# Allegro board 038RT-9068CJK8E-A100_0921_1.brd (continued)
## Routing (per net, layer and track width the routed paths; a pad name or vN(x,y) marks a point on that pad's centre or on a via; arc(x,y) is an arc through that point) (continued)
S2_R_P0_RXDV: length 5.1
  BOTTOM w0.115: UNK2RR409.2 166.62,262.55 169.68,262.55 UNK2K232.6
S2_R_P0_RXER: length 5.1
  BOTTOM w0.115: UNK2RR406.2 182.38,274.97 185.44,274.97 UNK2K183.6
S2_R_P0_TXC: length 5.1
  BOTTOM w0.115: UNK2RR404.2 182.38,262.55 185.44,262.55 UNK2K181.6
S2_R_P0_TXD0: length 5.1
  BOTTOM w0.115: UNK2K180.6 201.2,262.55 198.14,262.55 UNK2RR400.2
S2_R_P0_TXD1: length 5
  BOTTOM w0.115: UNK2K181.3 185.5,261.55 182.32,261.55 UNK2RR401.2
S2_R_P0_TXD2: length 5
  BOTTOM w0.115: UNK2RR402.2 166.56,273.97 169.74,273.97 UNK2K182.3
S2_R_P0_TXD3: length 5
  BOTTOM w0.115: UNK2K183.3 185.5,273.97 182.32,273.97 UNK2RR403.2
S2_R_P0_TXEN: length 5
  BOTTOM w0.115: UNK2RR405.2 198.08,261.55 201.26,261.55 UNK2K180.3
S2_RESETB: length 55.2
  L07_SIGNAL w0.105: v1(225.31,263) 229.02,259.28 275.96,259.28 v1(278.1,261.42)
S2_RTT: length 31
  L03_SIGNAL w0.102: v1(286.1,271.02) 286.5,271.42 286.5,273.06
  L03_SIGNAL w0.145: v2(312.66,276.86) 312.01,276.21 307.36,276.21 305.12,273.98 287.41,273.98 286.5,273.06
  BOTTOM w0.115: UNK2R434.1 v2(312.66,276.86)
S2_SEL1_K145: length 10.2
  BOTTOM w0.203: UNK2K145.8 26.39,280.17 25.23,279.01 UNK2RU11.2 23.37,279.01 23.21,279.17 23.21,282.74 23.86,283.39 UNK2RL15.1 UNK2RU12.1
S2_SEL2_K145: length 2.2
  BOTTOM w0.203: UNK2K145.17 UNK2RU12.2
S2_SEL2_K217: length 3.2
  BOTTOM w0.115: UNK2K217.17 139.57,260.62 140.51,259.68 UNK2RL38.1
S2_SPI_CSB: length 25.7
  L03_SIGNAL w0.102: v1(290.1,265.42) 290.5,265.02 292.92,265.02
  L03_SIGNAL w0.145: v1(315.24,263.99) 314.2,265.02 292.92,265.02
S2_SPI_SCK: length 26.9
  L03_SIGNAL w0.102: v1(290.1,263.02) 290.5,262.62 292.92,262.62
  L03_SIGNAL w0.145: v1(315.24,258.91) 313.75,260.39 297.1,260.39 294.78,262.71 293.01,262.71 292.92,262.62
S2_SPI_SI: length 20.2
  L03_SIGNAL w0.102: 292.92,261.82 290.5,261.82 v1(290.1,262.22)
  L03_SIGNAL w0.145: 292.92,261.82 292.99,261.75 294.62,261.75 296.58,259.78 308.01,259.78 v1(308.89,258.91)
S2_SPI_SO: length 19.1
  L03_SIGNAL w0.102: v1(290.1,264.62) 290.5,264.22 292.92,264.22
  L03_SIGNAL w0.145: 292.92,264.22 308.65,264.22 v1(308.89,263.99)
S2_SPI_VDDIO:
  vias: v1(274.65,247.71) v1(274.65,247.07) v1(289.3,262.22)
S2_SW_CTRL: length 495.8
  L21_SIGNAL w0.105: S2_SW_CTRL.2 32.57,146.69 35.72,143.54 183.33,143.54 191.72,151.92 229.51,151.92 233.96,147.47 233.96,104.55 235.67,102.84 SLOT2-DOWN.F6
  L44_SIGNAL w0.105: v2(31.42,352.38) 30.92,351.89 30.92,346.68 31.42,346.19 v2(31.42,344.88) v2(31.42,333.33) 30.49,332.41 29.63,332.41 28.99,331.77 28.99,327.05 28.48,326.54 26.86,326.54 26.17,325.86 v2(26.17,325.83) 26.17,321.33 27.64,319.86 27.64,277.16 28.05,276.76 28.05,274.93 27.62,274.5 27.62,226.42 28.2,225.83 28.2,222.83 29.12,221.92 v2(29.12,172.52) 28.23,171.63 28.23,165.68 v2(29.12,164.79) 28.74,164.41 28.74,154.08 31.61,151.21 S2_SW_CTRL.2
  BOTTOM w0.115: UNK2U18.10 29.97,352.88 30.02,352.93 30.87,352.93 v2(31.42,352.38) ; v2(29.12,164.79) 30.39,164.79 30.62,165.02 UNK2U6.10 ; UNK2U18.25 29.57,345.38 30.07,344.88 v2(31.42,344.88) ; UNK2U6.25 v2(29.12,172.52) ; v2(26.17,325.83) 26.72,326.38 27.57,326.38 27.62,326.33 UNK2U17.25 ; v2(31.42,333.33) 30.87,333.88 30.02,333.88 29.94,333.8 28.82,333.8 UNK2U17.10
S2_SWR1_EN: length 3.8
  TOP w0.305: UNK2SWR1.7 155.09,453.58 155.39,453.28 156.28,453.28 UNK2R548.2 UNK2CS5.1
S2_SWR1_FB: length 15.1
  TOP w0.305: UNK2RB8.1 156.88,457.06 157.9,458.08 161.5,458.08 163.09,456.49 SG2_SWR1_FB.1 ; UNK2RB8.1 UNK2RB7.2 UNK2CS2.2 ; UNK2RB8.1 156.22,456.49 UNK2SWR1.1
S2_SWR1_LX: length 1.7
  TOP w0.254: UNK2SWR1.6 154.59,452.3 UNK2LX1.1
S2_SWR1_PG: length 2.1
  TOP w0.305: UNK2RS6.2 155.66,456.8 155.09,456.23 UNK2SWR1.2
S2_SWR1_VIN: length 4.2
  TOP w0.305: UNK2SWR1.3 154.59,457.82 153.38,459.03 UNK2RS9.2
S2_TAPSL0: length 341.4
  L17_SIGNAL w0.102: 277.68,263.42 278.5,263.42 v1(278.9,263.02)
  L17_SIGNAL w0.105: v2(113.7,429.12) 113.7,423.82 137.9,399.61 264.46,399.61 285.45,378.62 285.45,323.83 259.86,298.24 259.86,277.03 262.86,274.03 262.86,262.69 264.54,261.01 270.93,261.01 272.96,263.04 275.11,263.04 275.48,263.42 277.68,263.42
S2_TAPSL0_HIGH: length 2.7
  BOTTOM w0.115: UNK2R342.1 S2_TAPSL0.1
S2_TAPSL0_LOW: length 2.7
  BOTTOM w0.115: UNK2R343.1 S2_TAPSL0.3
S2_TAPSL1: length 348.7
  L17_SIGNAL w0.102: 277.68,262.62 278.5,262.62 v1(278.9,262.22)
  L17_SIGNAL w0.105: 277.68,262.62 275.94,262.62 275.67,262.35 273.4,262.35 271.47,260.42 264.1,260.42 262.3,262.23 262.3,273.76 259.19,276.87 259.19,298.52 284.78,324.11 284.78,378.35 264.18,398.94 137.63,398.94 110.92,425.65 107.01,425.65 v2(103.54,429.12)
S2_TAPSL1_HIGH: length 2.7
  BOTTOM w0.115: UNK2R344.1 S2_TAPSL1.1
S2_TAPSL1_LOW: length 2.7
  BOTTOM w0.115: UNK2R345.1 S2_TAPSL1.3
S2_TCT: length 10
  TOP w0.115: v2(60.98,362.6) 60.94,362.56 UNK2T12.10 ; UNK2C171.1 v2(57.8,362.6) ; UNK2T12.15 54.59,362.56 v2(54.63,362.6)
  L03_SIGNAL w0.145: v2(60.98,362.6) v2(57.8,362.6) v2(54.63,362.6)
S2_TDO: length 22.9
  L03_SIGNAL w0.102: 292.92,267.42 290.5,267.42 v1(290.1,267.82)
  L03_SIGNAL w0.145: v1(312.06,269.07) 311.49,268.5 295.03,268.5 293.88,267.35 292.99,267.35 292.92,267.42
S2_U1_FE_MDI+: length 9.5
  TOP w0.105: 60.71,363.49 60.71,366.07 61.05,366.41 61.05,368.58 60.66,368.97 UNK2K56.4
  TOP w0.115: 60.71,363.49 59.67,362.45 UNK2T12.11
S2_U1_FE_MDI-: length 9.5
  TOP w0.105: 61.17,363.49 61.17,365.88 61.52,366.22 61.52,368.58 61.91,368.97 UNK2K56.5
  TOP w0.115: 61.17,363.49 62.21,362.45 UNK2T12.9
S2_U1_FE_MDIX+: length 9.5
  TOP w0.105: UNK2K52.4 53.62,368.97 54.01,368.58 54.01,366.22 54.36,365.88 54.36,363.49
  TOP w0.115: 54.36,363.49 53.32,362.45 UNK2T12.16
S2_U1_FE_MDIX-: length 9.5
  TOP w0.105: 54.82,363.49 54.82,366.07 54.47,366.41 54.47,368.58 54.86,368.97 UNK2K52.5
  TOP w0.115: UNK2T12.14 55.86,362.45 54.82,363.49
S2_U1_P0_MDI+: length 13.3
  BOTTOM w0.105: UNK2T7.3 250.65,266.35 251.39,266.35 252,265.73 252,265.36 252.53,264.83 261.11,264.83 261.21,264.93 UNK2K60.4
S2_U1_P0_MDI-: length 13.3
  BOTTOM w0.105: UNK2K60.5 261.21,264.26 261.11,264.36 252.34,264.36 251.54,265.17 251.54,265.54 251.19,265.88 250.65,265.88 UNK2T7.4
S2_U1_P1_MDI+: length 14
  BOTTOM w0.105: UNK2T8.3 238.37,262.33 237.32,262.33 236.73,262.92 236.73,264.15 236.51,264.36 227.9,264.36 227.8,264.26 UNK2K64.4
S2_U1_P1_MDI-: length 14
  BOTTOM w0.105: UNK2T8.4 238.36,262.8 237.51,262.8 237.19,263.11 237.19,264.34 236.7,264.83 227.9,264.83 227.8,264.93 UNK2K64.5
S2_U1_P2_GIGA_MDI+: length 2.6
  BOTTOM w0.105: 287.43,282.05 287.43,283.39
  BOTTOM w0.115: 287.43,283.39 UNK2C385.1 ; UNK2T18.2 287.43,282.05
S2_U1_P2_GIGA_MDI-: length 2.6
  BOTTOM w0.105: 286.96,282.05 286.96,283.39
  BOTTOM w0.115: 286.96,283.39 UNK2C384.1 ; UNK2T18.1 286.96,282.05
S2_U1_P3_GIGA_MDI+: length 2.6
  BOTTOM w0.105: 294.03,282.05 294.03,283.39
  BOTTOM w0.115: 294.03,283.39 UNK2C413.1 ; UNK2T23.2 294.03,282.05
S2_U1_P3_GIGA_MDI-: length 2.6
  BOTTOM w0.105: 293.57,282.05 293.57,283.39
  BOTTOM w0.115: UNK2T23.1 293.57,282.05 ; 293.57,283.39 UNK2C412.1
S2_U1_P5_MDI+: length 13.8
  BOTTOM w0.105: UNK2K130.4 261.21,272.05 261.11,271.94 252.53,271.94 252,272.47 252,273.35 251.39,273.97 250.65,273.97 UNK2T17.3
S2_U1_P5_MDI-: length 13.8
  BOTTOM w0.105: UNK2T17.4 250.65,273.5 251.19,273.5 251.54,273.16 251.54,272.28 252.34,271.48 261.11,271.48 261.21,271.37 UNK2K130.5
S2_U1_P6_MDI+: length 13.5
  BOTTOM w0.105: UNK2T15.3 238.37,269.95 237.25,269.95 236.81,270.4 236.81,271.15 236.48,271.48 227.9,271.48 227.8,271.37 UNK2K140.4
S2_U1_P6_MDI-: length 13.5
  BOTTOM w0.105: UNK2K140.5 227.8,272.05 227.9,271.94 236.67,271.94 237.27,271.34 237.27,270.59 237.44,270.42 238.36,270.42 UNK2T15.4
S2_U2_FE_MDI+: length 217.7
  TOP w0.105: 60.71,349.49 60.71,350.28
  TOP w0.115: UNK2T12.6 59.67,351.31 60.71,350.28 ; v1(60.61,349.39) 60.71,349.49
  L40_SIGNAL w0.1: v1(34.18,165.89) 34.14,165.89 33.94,166.09 32.38,166.09 31.47,167 31.47,168.46 30.83,169.1 28.19,169.1 26.44,170.85 26.44,183.71 29.46,186.72 29.46,222.03 30.64,223.22 30.64,233.03 28.18,235.49 28.18,242.32 38.41,252.56 38.41,273.87 36.6,275.69 36.6,282.64 38.41,284.46 38.41,314.46 50.11,326.16 50.11,344 52.7,346.59 60.09,346.59 60.76,347.25 60.76,349.24 v1(60.61,349.39)
  BOTTOM w0.105: v1(34.18,165.89) 34.04,166.04 31.58,166.04 UNK2U6.12
S2_U2_FE_MDI-: length 217.7
  TOP w0.105: 61.17,349.49 61.17,350.28
  TOP w0.115: 61.17,350.28 62.21,351.31 UNK2T12.8 ; v1(61.27,349.39) 61.17,349.49
  L40_SIGNAL w0.1: v1(34.18,166.66) 33.98,166.46 32.53,166.46 31.83,167.15 31.83,167.66 31.93,167.76 32.15,167.76 32.25,167.86 32.25,168.06 32.15,168.16 31.93,168.16 31.83,168.26 31.83,168.61 30.98,169.47 28.34,169.47 26.81,171 26.81,183.56 29.82,186.57 29.82,221.88 31,223.07 31,233.18 28.54,235.64 28.54,242.17 38.78,252.4 38.78,274.02 36.96,275.84 36.96,282.49 38.78,284.31 38.78,314.31 50.47,326.01 50.47,343.85 52.85,346.23 60.25,346.23 61.12,347.1 61.12,349.24 v1(61.27,349.39)
  BOTTOM w0.105: v1(34.18,166.66) 34.04,166.51 31.58,166.51 UNK2U6.13
S2_U2_FE_MDIX+: length 218.6
  TOP w0.105: 54.36,349.49 54.36,350.28
  TOP w0.115: v1(54.26,349.39) 54.36,349.49 ; UNK2T12.1 53.32,351.31 54.36,350.28
  L40_SIGNAL w0.1: v1(54.26,349.39) 54.41,349.24 54.41,348.44 54,348.03 50.45,348.03 47.73,345.32 47.73,327.39 33.72,313.38 33.72,284.99 34.77,283.94 34.77,273.66 32.16,271.04 32.16,250.48 24.13,242.46 24.13,235.97 27.14,232.96 27.14,227.25 26.17,226.28 26.17,222.85 26.51,222.5 26.51,214.29 23.76,211.54 23.76,169.87 27.54,166.1 30.38,166.1 31.09,165.39 31.09,163.76 31.76,163.09 33.98,163.09 v1(34.18,162.89)
  BOTTOM w0.105: UNK2U6.6 31.58,163.04 34.04,163.04 v1(34.18,162.89)
S2_U2_FE_MDIX-: length 218.6
  TOP w0.105: 54.82,349.49 54.82,350.28
  TOP w0.115: v1(54.92,349.39) 54.82,349.49 ; UNK2T12.3 55.86,351.31 54.82,350.28
  L40_SIGNAL w0.1: v1(54.92,349.39) 54.77,349.24 54.77,348.29 54.15,347.67 50.6,347.67 48.09,345.17 48.09,327.24 34.08,313.23 34.08,285.14 35.14,284.09 35.14,273.51 32.52,270.89 32.52,250.33 24.49,242.31 24.49,236.12 27.5,233.11 27.5,227.1 26.53,226.13 26.53,223 26.88,222.66 26.88,214.14 24.12,211.39 24.12,170.02 27.69,166.46 30.53,166.46 31.45,165.54 31.45,165.18 31.55,165.08 31.77,165.08 31.87,164.97 31.87,164.78 31.77,164.68 31.55,164.68 31.45,164.58 31.45,163.91 31.91,163.46 33.98,163.46 v1(34.18,163.66)
  BOTTOM w0.105: v1(34.18,163.66) 34.04,163.51 31.58,163.51 UNK2U6.7
S2_U2_P0_MDI+: length 2.7
  BOTTOM w0.105: UNK2C195.1 244.44,266.35 245.92,266.35 UNK2T7.2
S2_U2_P0_MDI-: length 2.7
  BOTTOM w0.105: UNK2T7.1 245.91,265.89 244.44,265.89 UNK2C196.1
S2_U2_P1_MDI+: length 2.7
  BOTTOM w0.105: UNK2T8.2 243.09,262.33 244.57,262.33 UNK2C198.1
S2_U2_P1_MDI-: length 2.7
  BOTTOM w0.105: UNK2C199.1 244.57,262.8 243.1,262.8 UNK2T8.1
S2_U2_P2_GIGA_MDI+: length 262.4
  L46_SIGNAL w0.136: v3(48.89,284.9) 48.99,284.79 57.25,284.79 62.97,290.51 77.01,290.51 79.96,293.46 129.76,293.46 134.33,288.89 165.09,288.89 177.93,301.72 272.05,301.72 285.52,288.26 287,288.26 287.42,287.84 287.42,287.22 287.56,287.08 v3(288.21,287.08)
  BOTTOM w0.105: v3(48.89,284.9) 48.79,284.8 48.41,284.8 47.2,286 45.68,286 UNK2K144.11 ; 287.43,286.03 287.43,286.3
  BOTTOM w0.115: UNK2C385.2 287.43,286.03 ; 287.43,286.3 v3(288.21,287.08)
S2_U2_P2_GIGA_MDI-: length 262.4
  L46_SIGNAL w0.136: v3(48.89,284.24) 48.99,284.34 50.24,284.34 50.4,284.18 50.4,283.94 50.56,283.78 50.78,283.78 50.94,283.94 50.94,284.18 51.1,284.34 57.44,284.34 63.16,290.06 77.2,290.06 80.15,293.01 129.57,293.01 134.15,288.43 165.28,288.43 178.12,301.27 271.87,301.27 285.33,287.81 286.81,287.81 286.97,287.65 286.97,287.22 286.83,287.08 v3(286.18,287.08)
  BOTTOM w0.105: UNK2K144.12 45.68,285.54 47.01,285.54 48.21,284.33 48.79,284.33 v3(48.89,284.24) ; 286.96,286.03 286.96,286.3
  BOTTOM w0.115: 286.96,286.3 v3(286.18,287.08) ; UNK2C384.2 286.96,286.03
S2_U2_P2_RC: length 4.8
  BOTTOM w0.115: UNK2R454.2 288.21,290.24 UNK2R456.1 UNK2C391.1 286.18,290.24 UNK2R455.2
S2_U2_P3_GIGA_MDI+: length 265.8
  L46_SIGNAL w0.136: v3(294.82,287.08) 294.16,287.08 294.03,287.22 294.03,287.84 293.61,288.26 291.63,288.26 290.81,289.07 290.81,290.96 277.27,304.51 135.87,304.51 129.75,298.39 65.19,298.39 57.64,290.83 48.46,290.83 v3(48.36,290.94)
  BOTTOM w0.105: 294.03,286.03 294.03,286.3 ; UNK2K144.2 45.68,290.5 46.41,290.5 46.74,290.84 48.26,290.84 v3(48.36,290.94)
  BOTTOM w0.115: 294.03,286.3 v3(294.82,287.08) ; UNK2C413.2 294.03,286.03
S2_U2_P3_GIGA_MDI-: length 265.8
  L46_SIGNAL w0.136: v3(292.78,287.08) 293.44,287.08 293.57,287.22 293.57,287.65 293.42,287.8 291.44,287.8 290.36,288.89 290.36,290.78 277.08,304.05 136.06,304.05 129.94,297.93 65.38,297.93 57.82,290.38 51.04,290.38 50.88,290.22 50.88,289.98 50.72,289.82 50.49,289.82 50.33,289.98 50.33,290.22 50.18,290.38 48.46,290.38 v3(48.36,290.28)
  BOTTOM w0.105: v3(48.36,290.28) 48.26,290.38 46.94,290.38 46.6,290.04 45.68,290.04 UNK2K144.3 ; 293.57,286.03 293.57,286.3
  BOTTOM w0.115: 293.57,286.3 v3(292.78,287.08) ; UNK2C412.2 293.57,286.03
S2_U2_P3_RC: length 4.8
  BOTTOM w0.115: UNK2R498.2 294.82,290.24 UNK2R500.1 UNK2C418.1 292.78,290.24 UNK2R499.2
S2_U2_P5_MDI+: length 2.7
  BOTTOM w0.105: UNK2T17.2 245.92,273.97 244.44,273.97 UNK2C383.1
S2_U2_P5_MDI-: length 2.7
  BOTTOM w0.105: UNK2T17.1 245.91,273.51 244.44,273.51 UNK2C381.1
S2_U2_P6_MDI+: length 2.7
  BOTTOM w0.105: UNK2C376.1 244.57,269.95 243.09,269.95 UNK2T15.2
S2_U2_P6_MDI-: length 2.7
  BOTTOM w0.105: UNK2T15.1 243.1,270.42 244.57,270.42 UNK2C377.1
S2_U3_FE_MDI+: length 33.3
  BOTTOM w0.105: 15.88,152.42 26.93,152.42 35.67,161.16 35.67,164.03 36.68,165.04 39.25,165.04 UNK2U6.55
  BOTTOM w0.115: UNK2CON1.3 14.11,150.65 15.88,152.42
S2_U3_FE_MDI-: length 33.4
  BOTTOM w0.105: 15.37,152.89 15.68,152.89 15.69,152.89 15.88,152.89 16.08,152.89 16.08,152.89 26.74,152.89 35.21,161.35 35.21,164.22 36.49,165.51 39.25,165.51 UNK2U6.54
  BOTTOM w0.115: UNK2CON1.6 15.35,153.92 15.13,153.7 15.13,153.13 15.37,152.89
S2_U3_FE_MDIX+: length 42.5
  BOTTOM w0.105: UNK2U6.61 39.29,162.04 41.8,162.04 42.82,161.02 42.82,154.63 38.53,150.35 15.96,150.35 15.21,149.6 15.21,148.68 UNK2CON1.1
S2_U3_FE_MDIX-: length 42.5
  BOTTOM w0.105: 15.68,148.95 15.68,149.4 16.16,149.88 38.72,149.88 43.28,154.44 43.28,161.22 41.99,162.51 39.29,162.51 UNK2U6.60
  BOTTOM w0.115: 15.68,148.95 15.84,148.79 16.6,148.79 UNK2CON1.2
S2_U3_P0_MDI+: length 265.4
  L09_SIGNAL w0.1: v1(241.06,266.82) 241.06,266.4 240.96,266.3 240.34,266.3 238.11,268.54 221.43,268.54 220,269.97 220,304.05 217,307.05 146.54,307.05 135.48,318.11 120.96,318.11 119.29,319.78 44.32,319.78 35.84,328.26 26.37,328.26 v2(26.17,328.46)
  BOTTOM w0.105: v2(26.17,328.46) 26.32,328.31 28.78,328.31 UNK2U17.21 ; UNK2C195.2 241.8,266.35 241.53,266.35 v1(241.06,266.82)
S2_U3_P0_MDI-: length 265.4
  L09_SIGNAL w0.1: v2(26.17,327.7) 26.37,327.9 35.69,327.9 44.17,319.42 119.14,319.42 120.81,317.75 135.33,317.75 146.39,306.69 216.85,306.69 219.64,303.9 219.64,269.82 221.28,268.18 237.96,268.18 240.19,265.94 240.96,265.94 241.06,265.84 v1(241.06,265.42)
  BOTTOM w0.105: UNK2U17.22 28.78,327.85 26.32,327.85 v2(26.17,327.7) ; v1(241.06,265.42) 241.53,265.89 241.8,265.89 UNK2C196.2
S2_U3_P0_RC: length 3.7
  BOTTOM w0.115: UNK2R150.2 UNK2R2.1 UNK2C194.1 UNK2R149.2
S2_U3_P1_MDI+: length 260.6
  L09_SIGNAL w0.1: v2(31.42,325.46) 31.62,325.26 33.77,325.26 34.47,324.56 34.64,324.56 34.78,324.71 34.95,324.71 35.06,324.59 35.06,324.42 34.92,324.28 34.92,324.11 35.04,323.99 35.2,323.99 35.35,324.14 35.51,324.14 35.63,324.02 35.63,323.86 35.49,323.71 35.49,323.55 44.52,314.51 132.74,314.51 142.97,304.27 195.87,304.27 216.62,283.52 216.62,268.72 224.29,261.05 248.44,261.05 248.86,261.47 248.86,262.09 248.57,262.38 248.05,262.38 247.95,262.28 v1(247.95,261.86)
  BOTTOM w0.105: v1(247.95,261.86) 247.48,262.33 247.21,262.33 UNK2C198.2 ; v2(31.42,325.46) 31.27,325.31 28.81,325.31 UNK2U17.27
S2_U3_P1_MDI-: length 260.6
  L09_SIGNAL w0.1: v1(247.95,263.26) 247.95,262.85 248.05,262.75 248.72,262.75 249.23,262.24 249.23,261.32 248.59,260.69 224.14,260.69 216.26,268.57 216.26,283.37 195.72,303.91 142.82,303.91 132.58,314.15 44.37,314.15 33.62,324.9 31.62,324.9 v2(31.42,324.7)
  BOTTOM w0.105: UNK2U17.28 28.81,324.85 31.27,324.85 v2(31.42,324.7) ; v1(247.95,263.26) 247.48,262.8 247.21,262.8 UNK2C199.2
S2_U3_P1_RC: length 3.7
  BOTTOM w0.115: UNK2R156.2 UNK2R3.1 UNK2C197.1 UNK2R155.2
S2_U3_P2_GIGA_MDI+: length 25.7
  BOTTOM w0.105: UNK2K144.29 41.66,286.5 38.52,286.5 38.28,286.26 35.84,286.26 35.37,285.79 35.37,282.34 35.26,282.24 34.67,282.24 34.48,282.43 34.48,288.51 34.1,288.88 32.73,288.88 32.29,288.45 32.29,283.76 32.19,283.65 31.08,283.65 UNK2K145.24
S2_U3_P2_GIGA_MDI-: length 25.7
  BOTTOM w0.105: UNK2K145.25 31.08,283.19 32.38,283.19 32.76,283.56 32.76,288.25 32.92,288.42 33.91,288.42 34.01,288.31 34.01,282.24 34.48,281.77 35.46,281.77 35.83,282.15 35.83,285.6 36.03,285.8 38.47,285.8 38.71,286.04 41.66,286.04 UNK2K144.28
S2_U3_P3_GIGA_MDI+: length 27.6
  L46_SIGNAL w0.136: v3(40.74,292.19) 40.64,292.29 40.64,293.38 40.02,294 33.82,294 31.84,292.03 31.84,285.32 34.21,282.95 34.21,282.18 33.68,281.65 33.11,281.65 v3(33.01,281.75)
  BOTTOM w0.105: v3(40.74,292.19) 40.65,292.09 40.65,291.11 40.75,291 41.66,291 UNK2K144.38 ; UNK2K145.28 31.08,281.65 32.91,281.65 v3(33.01,281.75)
S2_U3_P3_GIGA_MDI-: length 27.6
  L46_SIGNAL w0.136: v3(33.01,281.09) 33.11,281.19 33.87,281.19 34.67,281.99 34.67,283.14 32.3,285.51 32.3,291.84 34.01,293.55 39.83,293.55 40.19,293.19 40.19,292.29 v3(40.08,292.19)
  BOTTOM w0.105: UNK2K145.29 31.08,281.19 32.91,281.19 v3(33.01,281.09) ; v3(40.08,292.19) 40.18,292.09 40.18,290.91 40.56,290.54 41.66,290.54 UNK2K144.37
S2_U3_P5_MDI+: length 254.2
  L09_SIGNAL w0.1: v2(31.42,329.96) 31.62,329.76 38.88,329.76 44.65,324 135.72,324 149.98,309.74 222.55,309.74 226.52,305.78 226.52,277.5 227.63,276.38 238.21,276.38 240.67,273.92 240.96,273.92 241.06,274.02 v1(241.06,274.44)
  BOTTOM w0.105: v1(241.06,274.44) 241.53,273.97 241.8,273.97 UNK2C383.2 ; v2(31.42,329.96) 31.27,329.81 28.81,329.81 UNK2U17.18
S2_U3_P5_MDI-: length 254.2
  L09_SIGNAL w0.1: v2(31.42,329.2) 31.62,329.4 38.73,329.4 44.5,323.63 135.57,323.63 149.83,309.38 222.4,309.38 226.15,305.63 226.15,277.35 227.48,276.02 238.05,276.02 240.51,273.56 240.96,273.56 241.06,273.46 v1(241.06,273.04)
  BOTTOM w0.105: v2(31.42,329.2) 31.27,329.35 28.81,329.35 UNK2U17.19 ; v1(241.06,273.04) 241.53,273.51 241.8,273.51 UNK2C381.2
S2_U3_P5_RC: length 3.7
  BOTTOM w0.115: UNK2R440.2 UNK2C379.1 UNK2R5.1 UNK2R439.2
S2_U3_P6_MDI+: length 264.1
  L09_SIGNAL w0.1: v2(26.17,332.96) 26.37,332.76 40.44,332.76 47.4,325.8 137.93,325.8 151.53,312.21 222.81,312.21 243.66,291.36 243.66,277.97 249.2,272.44 249.2,270.47 248.74,270 248.05,270 247.95,269.9 v1(247.95,269.48)
  BOTTOM w0.105: v2(26.17,332.96) 26.32,332.81 28.78,332.81 UNK2U17.12 ; UNK2C376.2 247.21,269.95 247.48,269.95 v1(247.95,269.48)
S2_U3_P6_MDI-: length 264.1
  L09_SIGNAL w0.1: v1(247.95,270.88) 247.95,270.47 248.05,270.37 248.58,270.37 248.83,270.62 248.83,272.29 243.3,277.82 243.3,291.21 222.66,311.84 151.38,311.84 137.78,325.44 47.25,325.44 40.29,332.4 33.96,332.4 33.84,332.28 33.84,332.08 33.72,331.96 33.56,331.96 33.44,332.08 33.44,332.28 33.32,332.4 33.16,332.4 33.04,332.28 33.04,332.08 32.92,331.96 32.76,331.96 32.64,332.08 32.64,332.28 32.52,332.4 26.37,332.4 v2(26.17,332.2)
  BOTTOM w0.105: v1(247.95,270.88) 247.48,270.42 247.21,270.42 UNK2C377.2 ; UNK2U17.13 28.78,332.35 26.32,332.35 v2(26.17,332.2)
S2_U3_P6_RC: length 3.7
  BOTTOM w0.115: UNK2R438.2 UNK2R10.1 UNK2C375.1 UNK2R441.2
S2_U4_GIGA_MDI+: length 14.7
  TOP w0.105: v1(25.44,282.25) 25.35,282.15 23.65,282.15 22.75,283.05 22.75,287.6 21.2,289.16 18.95,289.16 UNK2GPHY3.1
  BOTTOM w0.105: UNK2K145.12 27.06,282.15 25.54,282.15 v1(25.44,282.25)
S2_U4_GIGA_MDI-: length 14.7
  TOP w0.105: v1(25.44,281.59) 25.35,281.69 23.46,281.69 22.29,282.85 22.29,287.41 21,288.69 18.95,288.69 UNK2GPHY3.2
  BOTTOM w0.105: UNK2K145.11 27.06,281.69 25.54,281.69 v1(25.44,281.59)
S2_U4_P0_MDI+: length 349.7
  L15_SIGNAL w0.1: UNK2K60.2 256.81,264.88 256.71,264.78 244.45,264.78 238.36,258.69 223.59,258.69 219.65,254.75 219.65,250.99 216.39,247.72 131.21,247.72 125.93,253 120.42,253 118.64,254.78 118.64,275.31 114.5,279.46 114.5,301.77 116.92,304.19 127.77,304.19 138.64,315.06 138.64,414.05 139.74,415.15 139.74,432.8 139.84,432.9 UNK2K240.3
S2_U4_P0_MDI-: length 350.3
  L15_SIGNAL w0.1: UNK2K240.6 139.28,432.9 139.38,432.8 139.38,415.3 138.28,414.2 138.28,315.21 127.62,304.55 116.77,304.55 114.13,301.92 114.13,279.31 118.28,275.16 118.28,254.63 120.27,252.64 125.78,252.64 131.06,247.36 216.54,247.36 220.02,250.84 220.02,254.6 223.74,258.33 238.51,258.33 244.6,264.42 256.71,264.42 256.81,264.32 UNK2K60.7
S2_U4_P1_MDI+: length 312.1
  L15_SIGNAL w0.1: UNK2K241.3 153.25,429.7 153.35,429.6 153.35,419.19 145.56,411.41 145.56,312.56 132.29,299.28 121.44,299.28 118.35,296.19 118.35,279.69 121.82,276.22 121.82,261.49 130.59,252.72 212.7,252.72 224.39,264.42 232.1,264.42 232.2,264.32 UNK2K64.2
S2_U4_P1_MDI-: length 311.5
  L15_SIGNAL w0.1: UNK2K241.6 153.81,429.7 153.71,429.6 153.71,419.04 145.93,411.26 145.93,312.41 132.44,298.92 121.59,298.92 118.72,296.04 118.72,279.85 122.19,276.37 122.19,261.64 130.74,253.09 212.55,253.09 224.24,264.78 232.1,264.78 232.2,264.88 UNK2K64.7
S2_U4_P2_R_1: length 18.2
  TOP w0.508: UNK2R542.2 UNK2GPHY2.G2 16.43,271.91 16.43,267.84 UNK2GPHY2.G1 UNK2GPHY2.G3
S2_U4_P2_R_2: length 21.8
  TOP w0.508: UNK2GPHY2.G4 11.29,269.24 8.02,265.98 UNK2GPHY2.G5 ; UNK2GPHY2.G4 UNK2R543.2 ; UNK2GPHY2.G4 UNK2GPHY2.G6
S2_U4_P2_RC_1: length 1.3
  TOP w0.508: UNK2R542.1 UNK2C441.1
S2_U4_P2_RC_2: length 1.3
  TOP w0.508: UNK2R543.1 UNK2C442.1
S2_U4_P3_R_1: length 18.4
  TOP w0.508: UNK2GPHY3.G3 UNK2GPHY3.G1 16.3,287.01 16.3,290.84 UNK2GPHY3.G2 UNK2R540.1
S2_U4_P3_R_2: length 21.8
  TOP w0.508: UNK2R541.2 UNK2GPHY3.G4 ; UNK2GPHY3.G4 UNK2GPHY3.G6 ; UNK2GPHY3.G4 11.29,288.29 8.02,285.03 UNK2GPHY3.G5
S2_U4_P3_RC_1: length 1.3
  TOP w0.508: UNK2R540.2 UNK2C439.1
S2_U4_P3_RC_2: length 1.3
  TOP w0.508: UNK2R541.1 UNK2C440.1
S2_U4_P5_MDI+: length 349.4
  L15_SIGNAL w0.1: UNK2K242.3 146.19,432.9 146.09,432.8 146.09,418.18 141.77,413.86 141.77,314.48 128.39,301.1 120.9,301.1 117.43,297.62 117.43,278.85 119.95,276.32 119.95,256.37 121.71,254.6 126.41,254.6 131.6,249.42 214.07,249.42 217.73,253.08 217.73,255.65 222.25,260.17 237.6,260.17 243.17,265.74 243.17,269.73 245.33,271.89 256.71,271.89 256.81,271.99 UNK2K130.2
S2_U4_P5_MDI-: length 350
  L15_SIGNAL w0.1: UNK2K242.6 145.63,432.9 145.73,432.8 145.73,418.33 141.41,414.01 141.41,314.63 128.23,301.46 120.75,301.46 117.06,297.77 117.06,278.7 119.59,276.17 119.59,256.22 121.56,254.24 126.26,254.24 131.45,249.06 214.22,249.06 218.09,252.93 218.09,255.5 222.4,259.81 237.75,259.81 243.53,265.59 243.53,269.58 245.48,271.53 256.71,271.53 256.81,271.43 UNK2K130.7
S2_U4_P6_MDI+: length 318.6
  L15_SIGNAL w0.1: UNK2K140.2 232.2,271.43 232.1,271.53 223.72,271.53 222.98,270.79 222.98,265.17 211.91,254.1 131.44,254.1 123.76,261.78 123.76,279.34 122.83,280.27 121.17,280.27 119.7,281.74 119.7,295.51 121.8,297.61 133.15,297.61 148.72,313.18 148.72,407.86 159.7,418.83 159.7,429.6 159.6,429.7 UNK2K243.3
S2_U4_P6_MDI-: length 318
  L15_SIGNAL w0.1: UNK2K140.7 232.2,271.99 232.1,271.89 223.57,271.89 222.62,270.94 222.62,265.32 211.76,254.46 131.59,254.46 124.12,261.93 124.12,279.49 122.98,280.63 121.32,280.63 120.07,281.89 120.07,295.36 121.95,297.24 133.3,297.24 149.09,313.03 149.09,407.71 160.06,418.68 160.06,429.6 160.16,429.7 UNK2K243.6
S2_U4PI_P0_MDI+: length 173.8
  L13_SIGNAL w0.1: v2(17.32,328.28) 17.12,328.08 16.36,328.08 16.19,328.25 16.19,328.41 16.01,328.58 15.76,328.58 15.59,328.41 15.59,328.25 15.41,328.08 15.16,328.08 14.99,328.25 14.99,328.41 14.81,328.58 14.56,328.58 14.39,328.41 14.39,328.25 14.21,328.08 13.32,328.08 12.93,327.68 12.93,326.16 13.24,325.84 15.72,325.84 16.06,325.5 16.06,317.89 17.21,316.75 44.52,316.75 45.05,316.22 45.05,311.8 44.6,311.35 11.75,311.35 11.41,311.69 11.41,312.61 11.95,313.15 37.83,313.15 38.44,313.76 38.44,314.51 37.82,315.13 11.87,315.13 11.41,315.59 11.41,327.73 10.71,328.43 3.11,328.43 2.44,329.11 2.44,331.08 2.65,331.29 4.16,331.29 4.26,331.19 UNK2MQS1.1
  BOTTOM w0.105: UNK2U17.45 21.07,328.81 19.99,328.81 19.3,328.13 17.47,328.13 v2(17.32,328.28)
S2_U4PI_P0_MDI-: length 173.8
  L13_SIGNAL w0.1: UNK2MQS1.2 4.26,331.75 4.16,331.65 2.5,331.65 2.07,331.23 2.07,328.96 2.96,328.07 10.56,328.07 11.04,327.58 11.04,315.44 11.71,314.77 37.67,314.77 38.08,314.36 38.08,313.91 37.68,313.51 11.8,313.51 11.04,312.76 11.04,311.54 11.6,310.98 44.75,310.98 45.41,311.65 45.41,316.37 44.67,317.11 17.36,317.11 16.43,318.04 16.43,325.65 15.87,326.21 13.39,326.21 13.29,326.31 13.29,327.53 13.47,327.71 17.12,327.71 v2(17.32,327.51)
  BOTTOM w0.105: UNK2U17.44 21.07,328.35 20.18,328.35 19.49,327.66 17.47,327.66 v2(17.32,327.51)
S2_U4PI_P1_MDI+: length 140.7
  L13_SIGNAL w0.1: UNK2MQS1.10 6.8,331.19 6.9,331.29 10.73,331.29 11.27,331.83 11.52,331.83 11.63,331.72 11.88,331.72 12.05,331.89 12.05,332.14 11.94,332.25 11.94,332.5 12.12,332.68 12.37,332.68 12.48,332.57 12.72,332.57 12.9,332.74 12.9,332.99 12.79,333.1 12.79,333.35 13.69,334.24 13.69,338.19 14.85,339.36 35.58,339.36 38.3,336.64 38.3,319.8 37.98,319.48 35.81,319.48 35.57,319.72 35.57,336.4 35.09,336.89 33.62,336.89 33.31,336.58 33.31,319.54 32.9,319.13 29.51,319.13 28.97,319.67 28.97,335.24 27.94,336.26 21.49,336.26 21.07,335.84 21.07,326.13 20.71,325.76 18.66,325.76 v2(18.46,325.96)